# Altium PCB WX0.000.863拼板.PcbDoc (part 5 of 15) (continued)
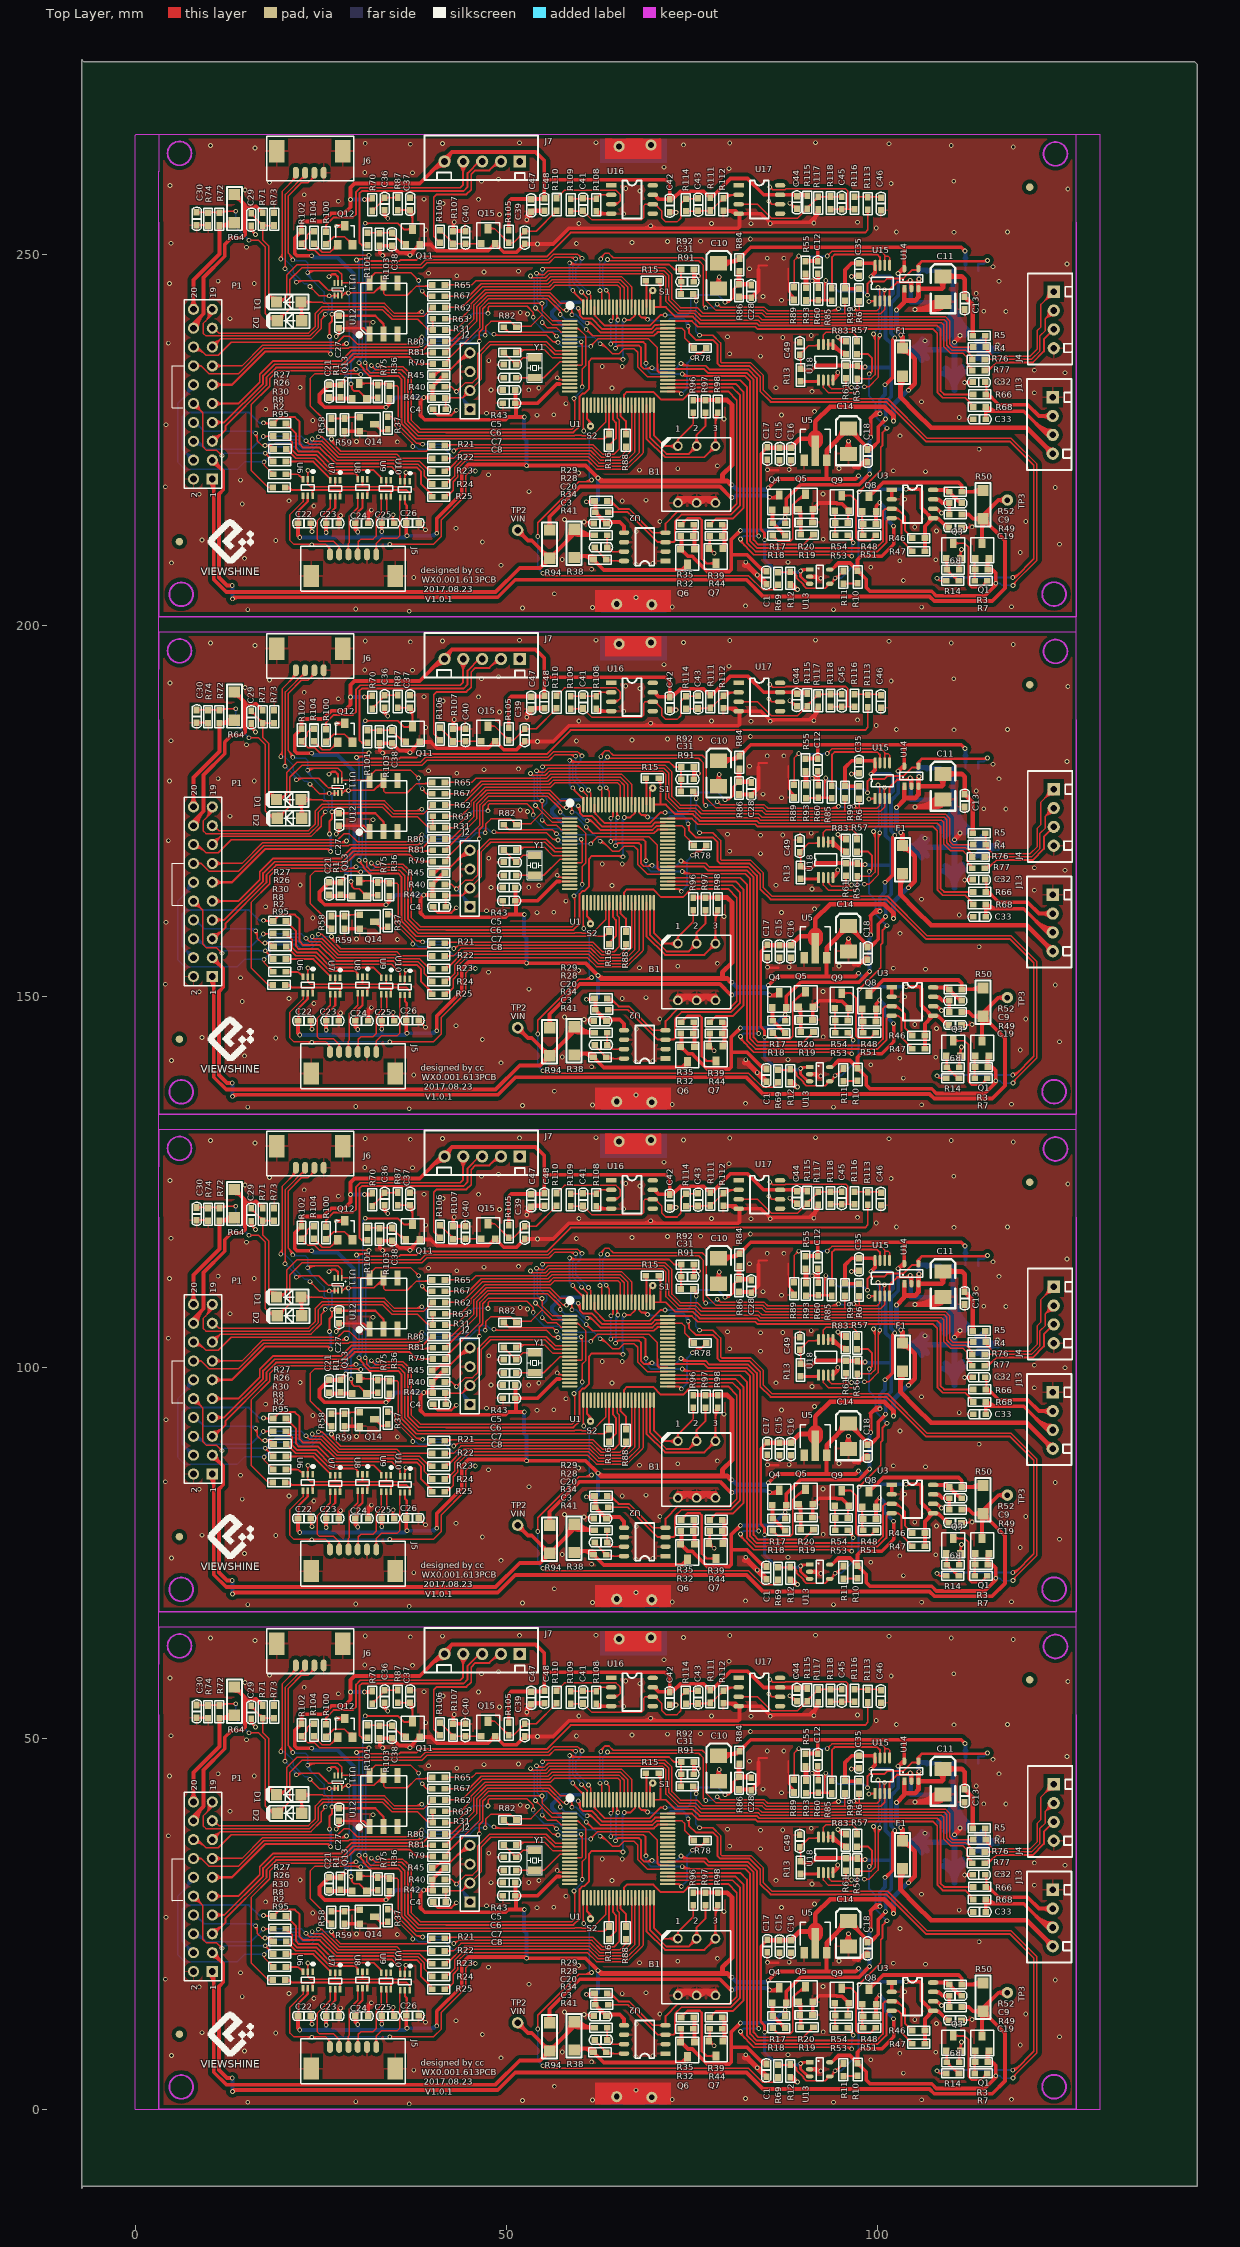
[diagram p0: Top Layer view]
## Nets (pads, with @x,y where several pads share a name; then routed paths per layer and width w, separated by ;. In a path a pad name is that pad's centre, name@x,y a point inside that pad or via, vN(x,y) a via of type N, cw(c..) or ccw(c..) an arc to the next point about the centre after c; other vN are vias at no path point) (continued)
v1@54.127,41.592 ; v1(53.911,41.592) 56.151,39.353 58.525,39.353 58.475,39.403 ; v1@53.911,108.432 cw(c53.911,107.911) 54.28,108.28 cw(c54.648,108.648) v1@54.127,108.648 ; v1(53.911,108.648) 56.151,106.409 58.525,106.409 58.475,106.459 ; v1@53.911,175.488 cw(c53.911,174.967) 54.28,175.336 cw(c54.648,175.704) v1@54.127,175.704 ; v1(53.911,175.704) 56.151,173.465 58.525,173.465 58.475,173.515 ; v1@53.911,242.544 cw(c53.911,242.023) 54.28,242.392 cw(c54.648,242.76) v1@54.127,242.76 ; v1(53.911,242.76) 56.151,240.521 58.525,240.521 58.475,240.571 ; v1(54.051,46.279) 54.051,46.253 54.244,46.06 55.065,46.06 ; v1(54.051,113.335) 54.051,113.309 54.244,113.116 55.065,113.116 ; v1(54.051,180.391) 54.051,180.365 54.244,180.172 55.065,180.172 ; v1(54.051,247.447) 54.051,247.421 54.244,247.228 55.065,247.228 ; v1@54.06,46.288 ccw(c54.591,46.793) 54.591,46.06 ; v1@54.06,113.344 ccw(c54.591,113.849) 54.591,113.116 ; v1@54.06,180.4 ccw(c54.591,180.905) 54.591,180.172 ; v1@54.06,247.456 ccw(c54.591,247.961) 54.591,247.228 ; v1@54.076,10.948 ccw(c53.708,11.316) 54.229,11.316 ccw(c54.75,11.316) v1@54.382,10.948 ; v1@54.076,78.004 ccw(c53.708,78.372) 54.229,78.372 ccw(c54.75,78.372) v1@54.382,78.004 ; v1@54.076,145.06 ccw(c53.708,145.428) 54.229,145.428 ccw(c54.75,145.428) v1@54.382,145.06 ; v1@54.076,212.116 ccw(c53.708,212.484) 54.229,212.484 ccw(c54.75,212.484) v1@54.382,212.116 ; v1@54.208,46.428 ccw(c55.065,47.245) 55.065,46.06 ; v1@54.208,113.484 ccw(c55.065,114.301) 55.065,113.116 ; v1@54.208,180.54 ccw(c55.065,181.357) 55.065,180.172 ; v1@54.208,247.596 ccw(c55.065,248.413) 55.065,247.228 ; v1(54.229,10.795) 54.229,12.649 59.766,18.186 61.29,18.186 61.519,18.415 v1(61.493,18.415) ; v1(54.229,77.851) 54.229,79.705 59.766,85.242 61.29,85.242 61.519,85.471 v1(61.493,85.471) ; v1(54.229,144.907) 54.229,146.761 59.766,152.298 61.29,152.298 61.519,152.527 v1(61.493,152.527) ; v1(54.229,211.963) 54.229,213.817 59.766,219.354 61.29,219.354 61.519,219.583 v1(61.493,219.583) ; 54.536,31.936 cw(c55.041,31.539) 55.041,32.182 ; 54.536,32.428 ccw(c55.041,32.825) 55.041,32.182 ; 54.536,98.992 cw(c55.041,98.595) 55.041,99.238 ; 54.536,99.484 ccw(c55.041,99.881) 55.041,99.238 ; 54.536,166.048 cw(c55.041,165.651) 55.041,166.294 ; 54.536,166.54 ccw(c55.041,166.937) 55.041,166.294 ; 54.536,233.104 cw(c55.041,232.707) 55.041,233.35 ; 54.536,233.596 ccw(c55.041,233.993) 55.041,233.35 ; v1@54.661,42.367 cw(c54.292,42.736) 54.292,42.215 cw(c54.292,41.694) 54.661,42.062 cw(c54.292,41.694) 54.813,41.694 cw(c55.334,41.694) v1@54.966,42.062 ; v1@54.661,109.423 cw(c54.292,109.792) 54.292,109.271 cw(c54.292,108.75) 54.661,109.118 cw(c54.292,108.75) 54.813,108.75 cw(c55.334,108.75) v1@54.966,109.118 ; v1@54.661,176.479 cw(c54.292,176.848) 54.292,176.327 cw(c54.292,175.806) 54.661,176.174 cw(c54.292,175.806) 54.813,175.806 cw(c55.334,175.806) v1@54.966,176.174 ; v1@54.661,243.535 cw(c54.292,243.904) 54.292,243.383 cw(c54.292,242.862) 54.661,243.23 cw(c54.292,242.862) 54.813,242.862 cw(c55.334,242.862) v1@54.966,243.23 ; v1@54.838,39.408 cw(c54.838,38.887) 55.207,39.255 cw(c55.575,39.624) v1@55.054,39.624 ; v1(54.838,39.624) 55.549,38.913 56.794,38.913 57.354,38.353 58.525,38.353 ; v1@54.838,106.464 cw(c54.838,105.943) 55.207,106.311 cw(c55.575,106.68) v1@55.054,106.68 ; v1(54.838,106.68) 55.549,105.969 56.794,105.969 57.354,105.409 58.525,105.409 ; v1@54.838,173.52 cw(c54.838,172.999) 55.207,173.367 cw(c55.575,173.736) v1@55.054,173.736 ; v1(54.838,173.736) 55.549,173.025 56.794,173.025 57.354,172.465 58.525,172.465 ; v1@54.838,240.576 cw(c54.838,240.055) 55.207,240.423 cw(c55.575,240.792) v1@55.054,240.792 ; v1(54.838,240.792) 55.549,240.081 56.794,240.081 57.354,239.521 58.525,239.521 ; v1(54.864,46.812) 55.088,47.036 71.371,47.036 72.304,46.103 72.304,42.801 73.451,41.653 75.723,41.653 76.505,40.871 84.452,40.871 84.887,40.437 109.169,40.437 109.753,39.853 109.753,36.728 110.16,36.322 112.903,36.322 ; v1(54.864,113.868) 55.088,114.092 71.371,114.092 72.304,113.159 72.304,109.857 73.451,108.709 75.723,108.709 76.505,107.927 84.452,107.927 84.887,107.493 109.169,107.493 109.753,106.909 109.753,103.784 110.16,103.378 112.903,103.378 ; v1(54.864,180.924) 55.088,181.148 71.371,181.148 72.304,180.215 72.304,176.913 73.451,175.765 75.723,175.765 76.505,174.983 84.452,174.983 84.887,174.549 109.169,174.549 109.753,173.965 109.753,170.84 110.16,170.434 112.903,170.434 ; v1(54.864,247.98) 55.088,248.204 71.371,248.204 72.304,247.271 72.304,243.969 73.451,242.821 75.723,242.821 76.505,242.039 84.452,242.039 84.887,241.605 109.169,241.605 109.753,241.021 109.753,237.896 110.16,237.49 112.903,237.49 ; v1(54.915,5.842) 55.25,5.507 ; v1(54.915,72.898) 55.25,72.563 ; v1(54.915,139.954) 55.25,139.619 ; v1(54.915,207.01) 55.25,206.675 ; v1@54.93,5.627 cw(c54.958,5.215) 55.25,5.507 ; v1@54.93,72.683 cw(c54.958,72.271) 55.25,72.563 ; v1@54.93,139.739 cw(c54.958,139.327) 55.25,139.619 ; v1@54.93,206.795 cw(c54.958,206.383) 55.25,206.675 ; v1@55.13,5.827 ccw(c55.542,5.799) 55.25,5.507 ; v1@55.13,72.883 ccw(c55.542,72.855) 55.25,72.563 ; v1@55.13,139.939 ccw(c55.542,139.911) 55.25,139.619 ; v1@55.13,206.995 ccw(c55.542,206.967) 55.25,206.675 ; 56.184,54.101 cw(c56.769,53.515) 56.769,54.343 ; 56.184,121.157 cw(c56.769,120.571) 56.769,121.399 ; 56.184,188.213 cw(c56.769,187.627) 56.769,188.455 ; 56.184,255.269 cw(c56.769,254.683) 56.769,255.511 ; 56.306,54.223 ccw(c55.894,54.635) 56.477,54.635 ; 56.306,121.279 ccw(c55.894,121.691) 56.477,121.691 ; 56.306,188.335 ccw(c55.894,188.747) 56.477,188.747 ; 56.306,255.391 ccw(c55.894,255.803) 56.477,255.803 ; v1@56.528,37.795 ccw(c56.006,37.795) 56.375,38.164 ccw(c56.744,38.532) v1@56.744,38.011 ; v1@56.528,104.851 ccw(c56.006,104.851) 56.375,105.22 ccw(c56.744,105.588) v1@56.744,105.067 ; v1@56.528,171.907 ccw(c56.006,171.907) 56.375,172.276 ccw(c56.744,172.644) v1@56.744,172.123 ; v1@56.528,238.963 ccw(c56.006,238.963) 56.375,239.332 ccw(c56.744,239.7) v1@56.744,239.179 ; 56.61,37.033 ccw(c56.61,37.294) v1@56.794,37.11 ; 56.61,104.089 ccw(c56.61,104.35) v1@56.794,104.166 ; 56.61,171.145 ccw(c56.61,171.406) v1@56.794,171.222 ; 56.61,238.201 ccw(c56.61,238.462) v1@56.794,238.278 ; 56.769,54.686 54.013,51.93 52.476,51.93 50.94,50.394 ; 56.769,56.388 57.831,57.45 64.781,57.45 65.135,57.096 65.135,57.09 65.354,56.871 65.354,56.032 ; 56.769,56.731 ccw(c56.769,57.559) 57.354,56.973 ; 56.769,121.742 54.013,118.986 52.476,118.986 50.94,117.45 ; 56.769,123.444 57.831,124.506 64.781,124.506 65.135,124.152 65.135,124.146 65.354,123.927 65.354,123.088 ; 56.769,123.787 ccw(c56.769,124.615) 57.354,124.029 ; 56.769,188.798 54.013,186.042 52.476,186.042 50.94,184.506 ; 56.769,190.5 57.831,191.562 64.781,191.562 65.135,191.208 65.135,191.202 65.354,190.983 65.354,190.144 ; 56.769,190.843 ccw(c56.769,191.671) 57.354,191.085 ; 56.769,255.854 54.013,253.098 52.476,253.098 50.94,251.562 ; 56.769,257.556 57.831,258.618 64.781,258.618 65.135,258.264 65.135,258.258 65.354,258.039 65.354,257.2 ; 56.769,257.899 ccw(c56.769,258.727) 57.354,258.141 ; v1@56.787,36.812 ccw(c56.286,36.357) 56.286,37.033 ; v1@56.787,103.868 ccw(c56.286,103.413) 56.286,104.089 ; v1@56.787,170.924 ccw(c56.286,170.469) 56.286,171.145 ; v1@56.787,237.98 ccw(c56.286,237.525) 56.286,238.201 ; v1(56.845,32.182) 57.12,31.907 57.435,31.907 ; v1(56.845,99.238) 57.12,98.963 57.435,98.963 ; v1(56.845,166.294) 57.12,166.019 57.435,166.019 ; v1(56.845,233.35) 57.12,233.075 57.435,233.075 ; v1@56.858,32.184 ccw(c57.191,32.246) 57.191,31.907 ; v1@56.858,99.24 ccw(c57.191,99.302) 57.191,98.963 ; v1@56.858,166.296 ccw(c57.191,166.358) 57.191,166.019 ; v1@56.858,233.352 ccw(c57.191,233.414) 57.191,233.075 ; v1(56.947,36.957) 56.947,36.982 56.896,37.033 56.286,37.033 ; v1(56.947,104.013) 56.947,104.038 56.896,104.089 56.286,104.089 ; v1(56.947,171.069) 56.947,171.094 56.896,171.145 56.286,171.145 ; v1(56.947,238.125) 56.947,238.15 56.896,238.201 56.286,238.201 ; v1@57.058,32.221 ccw(c57.435,32.291) 57.435,31.907 ; v1@57.058,99.277 ccw(c57.435,99.347) 57.435,98.963 ; v1@57.058,166.333 ccw(c57.435,166.403) 57.435,166.019 ; v1@57.058,233.389 ccw(c57.435,233.459) 57.435,233.075 ; 57.061,56.439 cw(c57.644,56.439) 57.232,56.851 ; 57.061,123.495 cw(c57.644,123.495) 57.232,123.907 ; 57.061,190.551 cw(c57.644,190.551) 57.232,190.963 ; 57.061,257.607 cw(c57.644,257.607) 57.232,258.019 ; v1@57.122,40.889 ccw(c56.927,41.148) 57.251,41.148 ; v1@57.122,107.945 ccw(c56.927,108.204) 57.251,108.204 ; v1@57.122,175.001 ccw(c56.927,175.26) 57.251,175.26 ; v1@57.122,242.057 ccw(c56.927,242.316) 57.251,242.316 ; v1(57.251,40.716) 57.251,41.148 ; v1(57.251,107.772) 57.251,108.204 ; v1(57.251,174.828) 57.251,175.26 ; v1(57.251,241.884) 57.251,242.316 ; 57.379,31.907 cw(c57.379,31.606) 57.591,31.819 ; 57.379,98.963 cw(c57.379,98.662) 57.591,98.875 ; 57.379,166.019 cw(c57.379,165.718) 57.591,165.931 ; 57.379,233.075 cw(c57.379,232.774) 57.591,232.987 ; v1@57.381,40.889 cw(c57.576,41.148) 57.251,41.148 ; v1@57.381,107.945 cw(c57.576,108.204) 57.251,108.204 ; v1@57.381,175.001 cw(c57.576,175.26) 57.251,175.26 ; v1@57.381,242.057 cw(c57.576,242.316) 57.251,242.316 ; 57.439,31.903 cw(c57.439,31.726) 57.585,31.826 ; 57.439,98.959 cw(c57.439,98.782) 57.585,98.882 ; 57.439,166.015 cw(c57.439,165.838) 57.585,165.938 ; 57.439,233.071 cw(c57.439,232.894) 57.585,232.994 ; 57.585,31.826 ccw(c57.435,31.728) 57.435,31.907 ; 57.585,98.882 ccw(c57.435,98.784) 57.435,98.963 ; 57.585,165.938 ccw(c57.435,165.84) 57.435,166.019 ; 57.585,232.994 ccw(c57.435,232.896) 57.435,233.075 ; v1@57.921,41.191 ccw(c57.641,40.969) 57.641,41.326 ; v1@57.921,41.46 cw(c57.641,41.683) 57.641,41.326 ; v1@57.921,108.247 ccw(c57.641,108.025) 57.641,108.382 ; v1@57.921,108.516 cw(c57.641,108.739) 57.641,108.382 ; v1@57.921,175.303 ccw(c57.641,175.081) 57.641,175.438 ; v1@57.921,175.572 cw(c57.641,175.795) 57.641,175.438 ; v1@57.921,242.359 ccw(c57.641,242.137) 57.641,242.494 ; v1@57.921,242.628 cw(c57.641,242.851) 57.641,242.494 ; v1(58.089,41.326) 57.641,41.326 ; v1(58.089,108.382) 57.641,108.382 ; v1(58.089,175.438) 57.641,175.438 ; v1(58.089,242.494) 57.641,242.494 ; 58.261,48.463 cw(c58.261,47.161) v1@59.182,48.082 ; 58.261,115.519 cw(c58.261,114.217) v1@59.182,115.138 ; 58.261,182.575 cw(c58.261,181.273) v1@59.182,182.194 ; 58.261,249.631 cw(c58.261,248.329) v1@59.182,249.25 ; 58.525,31.853 58.475,31.903 57.439,31.903 57.435,31.907 ; 58.525,33.853 60.116,33.853 60.249,33.985 60.249,36.805 60.02,37.033 60.083,37.033 v1(60.091,37.041) ; 58.525,34.353 57.212,34.353 55.041,32.182 ; 58.525,35.353 56.51,35.353 55.21,36.652 47.904,36.652 46.629,35.377 46.629,32.024 45.085,30.48 44.069,29.464 ; 58.525,35.853 56.577,35.853 55.372,37.059 47.727,37.059 ; 58.525,38.853 59.665,38.853 60.714,37.804 60.714,33.866 60.223,33.376 v1(60.223,30.963) ; 58.525,98.909 58.475,98.959 57.439,98.959 57.435,98.963 ; 58.525,100.909 60.116,100.909 60.249,101.041 60.249,103.861 60.02,104.089 60.083,104.089 v1(60.091,104.097) ; 58.525,101.409 57.212,101.409 55.041,99.238 ; 58.525,102.409 56.51,102.409 55.21,103.708 47.904,103.708 46.629,102.433 46.629,99.08 45.085,97.536 44.069,96.52 ; 58.525,102.909 56.577,102.909 55.372,104.115 47.727,104.115 ; 58.525,105.909 59.665,105.909 60.714,104.86 60.714,100.922 60.223,100.432 v1(60.223,98.019) ; 58.525,165.965 58.475,166.015 57.439,166.015 57.435,166.019 ; 58.525,167.965 60.116,167.965 60.249,168.097 60.249,170.917 60.02,171.145 60.083,171.145 v1(60.091,171.153) ; 58.525,168.465 57.212,168.465 55.041,166.294 ; 58.525,169.465 56.51,169.465 55.21,170.764 47.904,170.764 46.629,169.489 46.629,166.136 45.085,164.592 44.069,163.576 ; 58.525,169.965 56.577,169.965 55.372,171.171 47.727,171.171 ; 58.525,172.965 59.665,172.965 60.714,171.916 60.714,167.978 60.223,167.488 v1(60.223,165.075) ; 58.525,233.021 58.475,233.071 57.439,233.071 57.435,233.075 ; 58.525,235.021 60.116,235.021 60.249,235.153 60.249,237.973 60.02,238.201 60.083,238.201 v1(60.091,238.209) ; 58.525,235.521 57.212,235.521 55.041,233.35 ; 58.525,236.521 56.51,236.521 55.21,237.82 47.904,237.82 46.629,236.545 46.629,233.192 45.085,231.648 44.069,230.632 ; 58.525,237.021 56.577,237.021 55.372,238.227 47.727,238.227 ; 58.525,240.021 59.665,240.021 60.714,238.972 60.714,235.034 60.223,234.544 v1(60.223,232.131) ; v1@58.673,40.843 ccw(c58.305,41.212) 58.826,41.212 ccw(c59.347,41.212) v1@58.979,40.843 ; v1@58.673,107.899 ccw(c58.305,108.268) 58.826,108.268 ccw(c59.347,108.268) v1@58.979,107.899 ; v1@58.673,174.955 ccw(c58.305,175.324) 58.826,175.324 ccw(c59.347,175.324) v1@58.979,174.955 ; v1@58.673,242.011 ccw(c58.305,242.38) 58.826,242.38 ccw(c59.347,242.38) v1@58.979,242.011 ; 58.674,54.635 60.287,54.635 60.325,54.674 61.481,53.518 68.25,53.518 68.529,53.797 68.529,55.397 68.707,55.575 69.723,55.575 70.028,55.575 70.942,54.661 70.942,53.721 71.476,53.188 73,53.188 73.5,53.688 73.5,55.644 74.193,56.337 75.806,56.337 75.844,56.376 ; 58.674,56.337 62.103,56.337 62.611,56.845 ; 58.674,121.691 60.287,121.691 60.325,121.73 61.481,120.574 68.25,120.574 68.529,120.853 68.529,122.453 68.707,122.631 69.723,122.631 70.028,122.631 70.942,121.717 70.942,120.777 71.476,120.244 73,120.244 73.5,120.744 73.5,122.7 74.193,123.393 75.806,123.393 75.844,123.432 ; 58.674,123.393 62.103,123.393 62.611,123.901 ; 58.674,188.747 60.287,188.747 60.325,188.786 61.481,187.63 68.25,187.63 68.529,187.909 68.529,189.509 68.707,189.687 69.723,189.687 70.028,189.687 70.942,188.773 70.942,187.833 71.476,187.3 73,187.3 73.5,187.8 73.5,189.756 74.193,190.449 75.806,190.449 75.844,190.488 ; 58.674,190.449 62.103,190.449 62.611,190.957 ; 58.674,255.803 60.287,255.803 60.325,255.842 61.481,254.686 68.25,254.686 68.529,254.965 68.529,256.565 68.707,256.743 69.723,256.743 70.028,256.743 70.942,255.829 70.942,254.889 71.476,254.356 73,254.356 73.5,254.856 73.5,256.812 74.193,257.505 75.806,257.505 75.844,257.544 ; 58.674,257.505 62.103,257.505 62.611,258.013 ; 58.752,48.463 cw(c58.752,47.652) v1@59.325,48.226 ; 58.752,115.519 cw(c58.752,114.708) v1@59.325,115.282 ; 58.752,182.575 cw(c58.752,181.764) v1@59.325,182.338 ; 58.752,249.631 cw(c58.752,248.82) v1@59.325,249.394 ; 58.881,54.429 cw(c59.379,53.93) 59.379,54.635 cw(c59.379,55.341) 58.881,54.842 ; 58.881,56.131 cw(c59.379,55.632) 59.379,56.337 cw(c59.379,57.042) 58.881,56.544 ; 58.881,121.485 cw(c59.379,120.986) 59.379,121.691 cw(c59.379,122.397) 58.881,121.898 ; 58.881,123.187 cw(c59.379,122.688) 59.379,123.393 cw(c59.379,124.098) 58.881,123.6 ; 58.881,188.541 cw(c59.379,188.042) 59.379,188.747 cw(c59.379,189.453) 58.881,188.954 ; 58.881,190.243 cw(c59.379,189.744) 59.379,190.449 cw(c59.379,191.154) 58.881,190.656 ; 58.881,255.597 cw(c59.379,255.098) 59.379,255.803 cw(c59.379,256.509) 58.881,256.01 ; 58.881,257.299 cw(c59.379,256.8) 59.379,257.505 cw(c59.379,258.21) 58.881,257.712 ; v1@58.953,29.261 cw(c58.278,28.585) 59.233,28.585 ; v1@58.953,96.317 cw(c58.278,95.641) 59.233,95.641 ; v1@58.953,163.373 cw(c58.278,162.697) 59.233,162.697 ; v1@58.953,230.429 cw(c58.278,229.753) 59.233,229.753 ; v1@59.097,29.404 cw(c58.769,29.076) 59.233,29.076 ; v1@59.097,96.46 cw(c58.769,96.132) 59.233,96.132 ; v1@59.097,163.516 cw(c58.769,163.188) 59.233,163.188 ; v1@59.097,230.572 cw(c58.769,230.244) 59.233,230.244 ; v1(59.334,48.235) 59.106,48.463 56.537,48.463 55.775,47.701 39.294,47.701 38.588,46.995 22.408,46.995 20.803,45.39 20.803,41.453 19.228,39.878 19.126,39.878 18.491,39.878 17.475,40.894 17.475,46.507 ; v1(59.334,115.291) 59.106,115.519 56.537,115.519 55.775,114.757 39.294,114.757 38.588,114.051 22.408,114.051 20.803,112.446 20.803,108.509 19.228,106.934 19.126,106.934 18.491,106.934 17.475,107.95 17.475,113.563 ; v1(59.334,182.347) 59.106,182.575 56.537,182.575 55.775,181.813 39.294,181.813 38.588,181.107 22.408,181.107 20.803,179.502 20.803,175.565 19.228,173.99 19.126,173.99 18.491,173.99 17.475,175.006 17.475,180.619 ; v1(59.334,249.403) 59.106,249.631 56.537,249.631 55.775,248.869 39.294,248.869 38.588,248.163 22.408,248.163 20.803,246.558 20.803,242.621 19.228,241.046 19.126,241.046 18.491,241.046 17.475,242.062 17.475,247.675 ; 59.425,38.804 cw(c59.425,38.11) 59.917,38.601 ; 59.425,105.86 cw(c59.425,105.166) 59.917,105.657 ; 59.425,172.916 cw(c59.425,172.222) 59.917,172.713 ; 59.425,239.972 cw(c59.425,239.278) 59.917,239.769 ; 59.442,38.807 cw(c59.555,38.504) 59.784,38.733 ; 59.442,105.863 cw(c59.555,105.56) 59.784,105.789 ; 59.442,172.919 cw(c59.555,172.616) 59.784,172.845 ; 59.442,239.975 cw(c59.555,239.672) 59.784,239.901 ; 59.59,54.635 cw(c59.59,53.888) 60.118,54.416 ; 59.59,56.337 cw(c59.59,55.589) 60.118,56.118 ; 59.59,121.691 cw(c59.59,120.944) 60.118,121.472 ; 59.59,123.393 cw(c59.59,122.645) 60.118,123.174 ; 59.59,188.747 cw(c59.59,188) 60.118,188.528 ; 59.59,190.449 cw(c59.59,189.701) 60.118,190.23 ; 59.59,255.803 cw(c59.59,255.056) 60.118,255.584 ; 59.59,257.505 cw(c59.59,256.757) 60.118,257.286 ; 59.65,54.635 ccw(c59.65,55.298) 60.118,54.829 ; 59.65,56.337 ccw(c59.65,57) 60.118,56.531 ; 59.65,121.691 ccw(c59.65,122.354) 60.118,121.885 ; 59.65,123.393 ccw(c59.65,124.056) 60.118,123.587 ; 59.65,188.747 ccw(c59.65,189.41) 60.118,188.941 ; 59.65,190.449 ccw(c59.65,191.112) 60.118,190.643 ; 59.65,255.803 ccw(c59.65,256.466) 60.118,255.997 ; 59.65,257.505 ccw(c59.65,258.168) 60.118,257.699 ; 59.759,48.683 ccw(c60.198,49.123) v1@60.198,48.501 ; 59.759,115.739 ccw(c60.198,116.179) v1@60.198,115.557 ; 59.759,182.795 ccw(c60.198,183.235) v1@60.198,182.613 ; 59.759,249.851 ccw(c60.198,250.291) v1@60.198,249.669 ; 59.859,48.583 cw(c59.561,48.285) v1@59.982,48.285 ; 59.859,115.639 cw(c59.561,115.341) v1@59.982,115.341 ; 59.859,182.695 cw(c59.561,182.397) v1@59.982,182.397 ; 59.859,249.751 cw(c59.561,249.453) v1@59.982,249.453 ; v1@59.938,36.888 cw(c59.188,36.138) 60.249,36.138 ; v1@59.938,103.944 cw(c59.188,103.194) 60.249,103.194 ; v1@59.938,171 cw(c59.188,170.25) 60.249,170.25 ; v1@59.938,238.056 cw(c59.188,237.306) 60.249,237.306 ; v1@60.071,31.115 ccw(c59.702,31.484) 60.223,31.484 ccw(c60.745,31.484) v1@60.376,31.115 ; v1@60.071,98.171 ccw(c59.702,98.54) 60.223,98.54 ccw(c60.745,98.54) v1@60.376,98.171 ; v1@60.071,165.227 ccw(c59.702,165.596) 60.223,165.596 ccw(c60.745,165.596) v1@60.376,165.227 ; v1@60.071,232.283 ccw(c59.702,232.652) 60.223,232.652 ccw(c60.745,232.652) v1@60.376,232.283 ; v1@60.082,37.032 cw(c59.679,36.629) 60.249,36.629 ; v1@60.082,104.088 cw(c59.679,103.685) 60.249,103.685 ; v1@60.082,171.144 cw(c59.679,170.741) 60.249,170.741 ; v1@60.082,238.2 cw(c59.679,237.797) 60.249,237.797 ; v1@60.122,43.523 cw(c60.122,43.002) 60.49,43.37 cw(c60.859,43.739) v1@60.338,43.739 ; v1(60.122,43.739) 60.875,42.985 60.875,41.703 ; v1@60.122,110.579 cw(c60.122,110.058) 60.49,110.426 cw(c60.859,110.795) v1@60.338,110.795 ; v1(60.122,110.795) 60.875,110.041 60.875,108.759 ; v1@60.122,177.635 cw(c60.122,177.114) 60.49,177.482 cw(c60.859,177.851) v1@60.338,177.851 ; v1(60.122,177.851) 60.875,177.097 60.875,175.815 ; v1@60.122,244.691 cw(c60.122,244.17) 60.49,244.538 cw(c60.859,244.907) v1@60.338,244.907 ; v1(60.122,244.907) 60.875,244.153 60.875,242.871 ; v1(60.198,48.285) 60.156,48.285 59.577,48.865 56.371,48.865 55.609,48.103 39.086,48.103 38.379,47.396 21.742,47.396 20.401,46.055 20.401,43.109 ; v1(60.198,115.341) 60.156,115.341 59.577,115.921 56.371,115.921 55.609,115.159 39.086,115.159 38.379,114.452 21.742,114.452 20.401,113.111 20.401,110.165 ; v1(60.198,182.397) 60.156,182.397 59.577,182.977 56.371,182.977 55.609,182.215 39.086,182.215 38.379,181.508 21.742,181.508 20.401,180.167 20.401,177.221 ; v1(60.198,249.453) 60.156,249.453 59.577,250.033 56.371,250.033 55.609,249.271 39.086,249.271 38.379,248.564 21.742,248.564 20.401,247.223 20.401,244.277 ; v1@60.274,25.172 ccw(c60.029,25.416) 60.375,25.416 ; v1@60.274,92.228 ccw(c60.029,92.472) 60.375,92.472 ; v1@60.274,159.284 ccw(c60.029,159.528) 60.375,159.528 ; v1@60.274,226.34 ccw(c60.029,226.584) 60.375,226.584 ; 60.325,54.331 cw(c60.325,53.503) 60.91,54.088 ; 60.325,121.387 cw(c60.325,120.559) 60.91,121.144 ; 60.325,188.443 cw(c60.325,187.615) 60.91,188.2 ; 60.325,255.499 cw(c60.325,254.671) 60.91,255.256 ; 60.375,25.664 ccw(c61.072,25.664) v1@60.579,25.172 ; 60.375,28.503 60.375,25.147 60.427,25.095 v1(60.427,25.019) ; 60.375,92.72 ccw(c61.072,92.72) v1@60.579,92.228 ; 60.375,95.559 60.375,92.203 60.427,92.151 v1(60.427,92.075) ; 60.375,159.776 ccw(c61.072,159.776) v1@60.579,159.284 ; 60.375,162.615 60.375,159.259 60.427,159.207 v1(60.427,159.131) ; 60.375,226.832 ccw(c61.072,226.832) v1@60.579,226.34 ; 60.375,229.671 60.375,226.315 60.427,226.263 v1(60.427,226.187) ; 60.42,18.186 ccw(c60.42,19.488) v1@61.341,18.568 ; 60.42,85.242 ccw(c60.42,86.544) v1@61.341,85.624 ; 60.42,152.298 ccw(c60.42,153.6) v1@61.341,152.68 ; 60.42,219.354 ccw(c60.42,220.656) v1@61.341,219.736 ; v1(60.452,12.751) 61.912,12.751 ; v1(60.452,79.807) 61.912,79.807 ; v1(60.452,146.863) 61.912,146.863 ; v1(60.452,213.919) 61.912,213.919 ; 60.532,56.118 cw(c61.06,55.589) 61.06,56.337 ; 60.532,56.531 ccw(c61,57) 61,56.337 ; 60.532,123.174 cw(c61.06,122.645) 61.06,123.393 ; 60.532,123.587 ccw(c61,124.056) 61,123.393 ; 60.532,190.23 cw(c61.06,189.701) 61.06,190.449 ; 60.532,190.643 ccw(c61,191.112) 61,190.449 ; 60.532,257.286 cw(c61.06,256.757) 61.06,257.505 ; 60.532,257.699 ccw(c61,258.168) 61,257.505 ; v1@60.539,12.751 cw(c60.539,11.352) 61.528,12.341 ; v1@60.539,79.807 cw(c60.539,78.408) 61.528,79.397 ; v1@60.539,146.863 cw(c60.539,145.464) 61.528,146.453 ; v1@60.539,213.919 cw(c60.539,212.52) 61.528,213.509 ; v1@60.604,12.598 cw(c60.973,12.23) 60.973,12.751 cw(c60.973,13.272) v1@60.604,12.903 ; v1@60.604,79.654 cw(c60.973,79.286) 60.973,79.807 cw(c60.973,80.328) v1@60.604,79.959 ; v1@60.604,146.71 cw(c60.973,146.342) 60.973,146.863 cw(c60.973,147.384) v1@60.604,147.015 ; v1@60.604,213.766 cw(c60.973,213.398) 60.973,213.919 cw(c60.973,214.44) v1@60.604,214.071 ; 60.617,54.623 ccw(c61.2,54.623) 60.788,54.211 ; 60.617,121.679 ccw(c61.2,121.679) 60.788,121.267 ; 60.617,188.735 ccw(c61.2,188.735) 60.788,188.323 ; 60.617,255.791 ccw(c61.2,255.791) 60.788,255.379 ; 60.911,18.186 ccw(c60.911,18.998) v1@61.484,18.424 ; 60.911,85.242 ccw(c60.911,86.054) v1@61.484,85.48 ; 60.911,152.298 ccw(c60.911,153.11) v1@61.484,152.536 ; 60.911,219.354 ccw(c60.911,220.166) v1@61.484,219.592 ; 61.03,12.751 cw(c61.03,11.842) 61.672,12.485 ; 61.03,79.807 cw(c61.03,78.898) 61.672,79.541 ; 61.03,146.863 cw(c61.03,145.954) 61.672,146.597 ; 61.03,213.919 cw(c61.03,213.01) 61.672,213.653 ; v1@61.062,43.472 cw(c61.062,43.196) 61.257,43.391 ; v1(61.062,43.688) 61.011,43.637 61.375,43.273 61.375,41.703 ; v1@61.062,110.528 cw(c61.062,110.252) 61.257,110.447 ; v1(61.062,110.744) 61.011,110.693 61.375,110.329 61.375,108.759 ; v1@61.062,177.584 cw(c61.062,177.308) 61.257,177.503 ; v1(61.062,177.8) 61.011,177.749 61.375,177.385 61.375,175.815 ; v1@61.062,244.64 cw(c61.062,244.364) 61.257,244.559 ; v1(61.062,244.856) 61.011,244.805 61.375,244.441 61.375,242.871 ; v1@61.263,43.611 ccw(c61.515,43.514) 61.324,43.324 ; v1@61.263,110.667 ccw(c61.515,110.57) 61.324,110.38 ; v1@61.263,177.723 ccw(c61.515,177.626) 61.324,177.436 ; v1@61.263,244.779 ccw(c61.515,244.682) 61.324,244.492 ; v1(61.366,36.424) 61.366,36.474 62.306,37.414 69.179,37.414 70.35,36.244 70.35,34.036 ; v1@61.366,36.639 ccw(c61.366,37.038) 61.648,36.756 ; v1(61.366,103.48) 61.366,103.53 62.306,104.47 69.179,104.47 70.35,103.3 70.35,101.092 ; v1@61.366,103.695 ccw(c61.366,104.094) 61.648,103.812 ; v1(61.366,170.536) 61.366,170.586 62.306,171.526 69.179,171.526 70.35,170.356 70.35,168.148 ; v1@61.366,170.751 ccw(c61.366,171.15) 61.648,170.868 ; v1(61.366,237.592) 61.366,237.642 62.306,238.582 69.179,238.582 70.35,237.412 70.35,235.204 ; v1@61.366,237.807 ccw(c61.366,238.206) 61.648,237.924 ; v1@61.582,36.424 cw(c62.226,36.424) 61.771,36.879 ; v1@61.582,103.48 cw(c62.226,103.48) 61.771,103.935 ; v1@61.582,170.536 cw(c62.226,170.536) 61.771,170.991 ; v1@61.582,237.592 cw(c62.226,237.592) 61.771,238.047 ; 61.874,9.322 61.874,9.246 63.449,7.671 63.627,7.493 65.862,7.493 ; 61.874,76.378 61.874,76.302 63.449,74.727 63.627,74.549 65.862,74.549 ; 61.874,143.434 61.874,143.358 63.449,141.783 63.627,141.605 65.862,141.605 ; 61.874,210.49 61.874,210.414 63.449,208.839 63.627,208.661 65.862,208.661 ; 61.896,56.131 ccw(c61.398,55.632) 61.398,56.337 ccw(c61.398,57.042) 61.896,56.544 ; 61.896,123.187 ccw(c61.398,122.688) 61.398,123.393 ccw(c61.398,124.098) 61.896,123.6 ; 61.896,190.243 ccw(c61.398,189.744) 61.398,190.449 ccw(c61.398,191.154) 61.896,190.656 ; 61.896,257.299 ccw(c61.398,256.8) 61.398,257.505 ccw(c61.398,258.21) 61.896,257.712 ; 61.937,9.03 cw(c61.937,8.661) 62.198,8.922 ; 61.937,76.086 cw(c61.937,75.717) 62.198,75.978 ; 61.937,143.142 cw(c61.937,142.773) 62.198,143.034 ; 61.937,210.198 cw(c61.937,209.829) 62.198,210.09 ; 62.026,9.322 ccw(c62.578,9.322) 62.188,8.932 ; 62.026,76.378 ccw(c62.578,76.378) 62.188,75.988 ; 62.026,143.434 ccw(c62.578,143.434) 62.188,143.044 ; 62.026,210.49 ccw(c62.578,210.49) 62.188,210.1 ; 62.135,56.678 ccw(c62.2,57.257) 62.611,56.845 ; 62.135,123.734 ccw(c62.2,124.313) 62.611,123.901 ; 62.135,190.79 ccw(c62.2,191.369) 62.611,190.957 ; 62.135,257.846 ccw(c62.2,258.425) 62.611,258.013 ; 62.229,9.322 ccw(c63.271,9.322) 62.535,8.585 ; 62.229,76.378 ccw(c63.271,76.378) 62.535,75.641 ; 62.229,143.434 ccw(c63.271,143.434) 62.535,142.697 ; 62.229,210.49 ccw(c63.271,210.49) 62.535,209.753 ; 62.395,56.388 cw(c62.978,56.388) 62.566,56.8 ; 62.395,123.444 cw(c62.978,123.444) 62.566,123.856 ; 62.395,190.5 cw(c62.978,190.5) 62.566,190.912 ; 62.395,257.556 cw(c62.978,257.556) 62.566,257.968 ; v1(62.611,43.942) 62.875,43.678 62.875,41.703 ; v1(62.611,110.998) 62.875,110.734 62.875,108.759 ; v1(62.611,178.054) 62.875,177.79 62.875,175.815 ; v1(62.611,245.11) 62.875,244.846 62.875,242.871 ; v1@62.636,36.563 cw(c62.636,35.306) 63.525,36.195 ; v1@62.636,36.767 cw(c62.636,36) 63.178,36.542 ; v1(62.636,36.779) 62.662,36.805 v1@62.789,36.805 ; v1@62.636,103.619 cw(c62.636,102.362) 63.525,103.251 ; v1@62.636,103.822 cw(c62.636,103.056) 63.178,103.598 ; v1(62.636,103.835) 62.662,103.861 v1@62.789,103.861 ; v1@62.636,170.675 cw(c62.636,169.418) 63.525,170.307 ; v1@62.636,170.879 cw(c62.636,170.112) 63.178,170.654 ; v1(62.636,170.891) 62.662,170.917 v1@62.789,170.917 ; v1@62.636,237.731 cw(c62.636,236.474) 63.525,237.363 ; v1@62.636,237.934 cw(c62.636,237.168) 63.178,237.71 ; v1(62.636,237.947) 62.662,237.973 v1@62.789,237.973 ; v1(62.713,48.184) 62.713,48.387 63.271,48.946 63.83,48.946 64.414,48.362 76.403,48.362 76.911,47.854 76.911,42.596 78.234,41.273 84.619,41.273 85.053,40.838 95.631,40.838 ; v1(62.713,115.24) 62.713,115.443 63.271,116.002 63.83,116.002 64.414,115.418 76.403,115.418 76.911,114.91 76.911,109.652 78.234,108.329 84.619,108.329 85.053,107.894 95.631,107.894 ; v1(62.713,182.296) 62.713,182.499 63.271,183.058 63.83,183.058 64.414,182.474 76.403,182.474 76.911,181.966 76.911,176.708 78.234,175.385 84.619,175.385 85.053,174.95 95.631,174.95 ; v1(62.713,249.352) 62.713,249.555 63.271,250.114 63.83,250.114 64.414,249.53 76.403,249.53 76.911,249.022 76.911,243.764 78.234,242.441 84.619,242.441 85.053,242.006 95.631,242.006 ; v1@62.725,48.184 cw(c63.247,48.184) 62.878,48.552 ; v1@62.725,115.24 cw(c63.247,115.24) 62.878,115.608 ; v1@62.725,182.296 cw(c63.247,182.296) 62.878,182.664 ; v1@62.725,249.352 cw(c63.247,249.352) 62.878,249.72 ; 62.863,8.256 cw(c62.278,7.671) 63.106,7.671 ; 62.863,75.312 cw(c62.278,74.727) 63.106,74.727 ; 62.863,142.368 cw(c62.278,141.783) 63.106,141.783 ; 62.863,209.424 cw(c62.278,208.839) 63.106,208.839 ; v1@62.916,36.805 64.287,35.433 65.176,35.433 65.852,36.109 67.208,36.109 67.696,35.621 67.696,33.631 68.974,32.353 71.725,32.353 ; v1@62.916,103.861 64.287,102.489 65.176,102.489 65.852,103.165 67.208,103.165 67.696,102.677 67.696,100.687 68.974,99.409 71.725,99.409 ; v1@62.916,170.917 64.287,169.545 65.176,169.545 65.852,170.221 67.208,170.221 67.696,169.733 67.696,167.743 68.974,166.465 71.725,166.465